# KiCad board tklc_v1.kicad_pcb
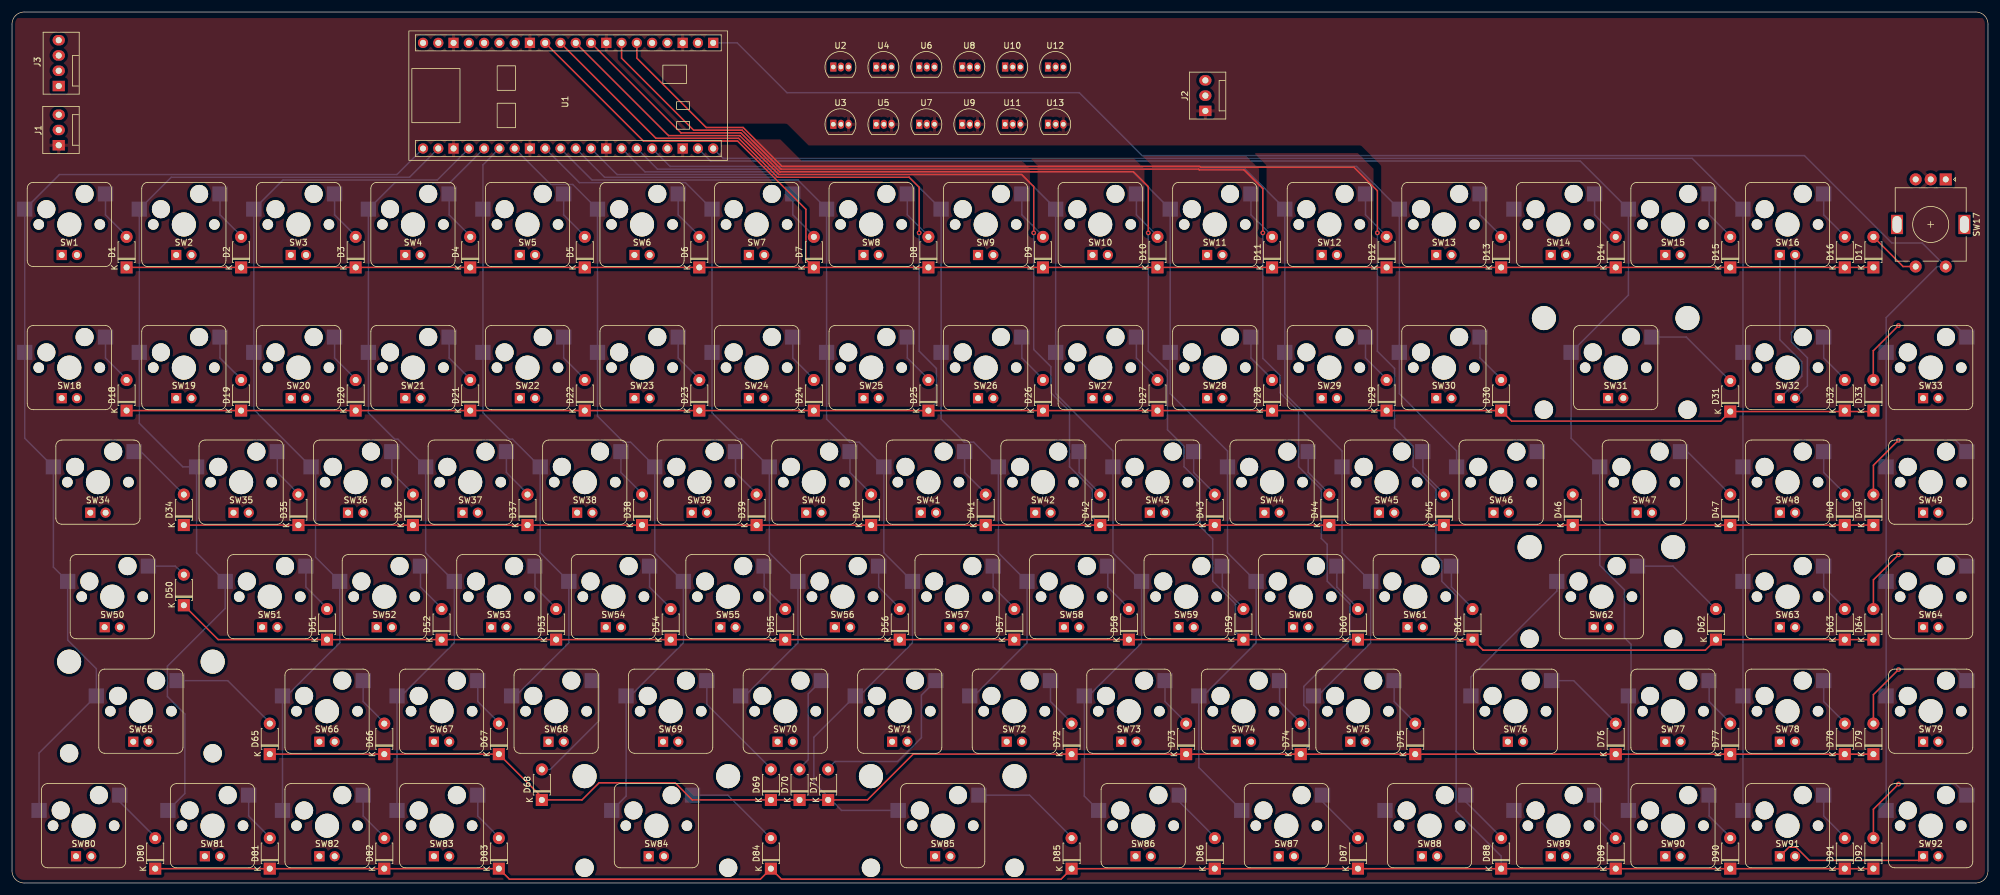
[diagram p0: board, top side]
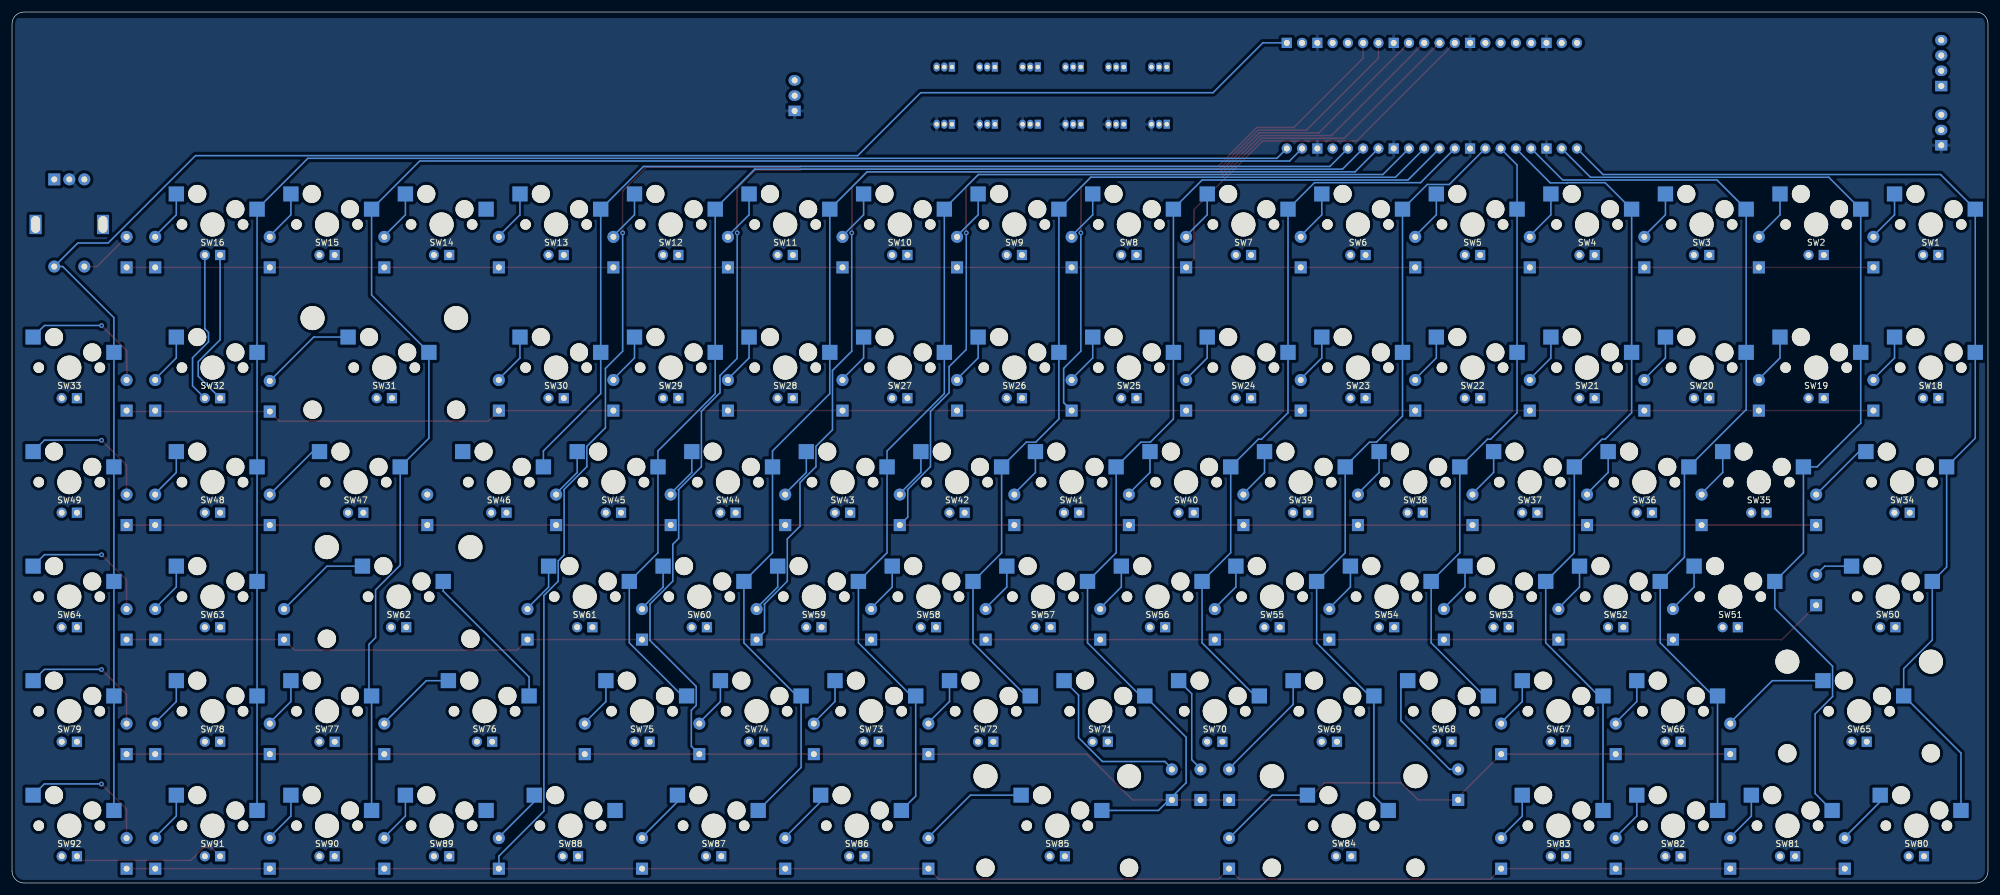
[diagram p1: board, bottom side, seen from below]

Outline 328.61 x 144.88 mm; copper layers: Top, Bottom. Coordinates in mm from the lower left corner of the outline.
Outline path: 0,142.88 arc(0.59,144.29) 2,144.88 326.61,144.88 arc(328.03,144.29) 328.61,142.88 328.61,2 arc(328.03,0.59) 326.61,0 2,0 arc(0.59,0.59) 0,2 0,142.88

## Placement (name value [footprint] x y rotation side)
D1  1N4148  [D_T-1_P5.08mm_Horizontal]  19.05 102.39 90 top
D2  1N4148  [D_T-1_P5.08mm_Horizontal]  38.1 102.39 90 top
D3  1N4148  [D_T-1_P5.08mm_Horizontal]  57.15 102.39 90 top
D4  1N4148  [D_T-1_P5.08mm_Horizontal]  76.2 102.39 90 top
D5  1N4148  [D_T-1_P5.08mm_Horizontal]  95.25 102.39 90 top
D6  1N4148  [D_T-1_P5.08mm_Horizontal]  114.3 102.39 90 top
D7  1N4148  [D_T-1_P5.08mm_Horizontal]  133.35 102.39 90 top
D8  1N4148  [D_T-1_P5.08mm_Horizontal]  152.4 102.39 90 top
D9  1N4148  [D_T-1_P5.08mm_Horizontal]  171.45 102.39 90 top
D10  1N4148  [D_T-1_P5.08mm_Horizontal]  190.5 102.39 90 top
D11  1N4148  [D_T-1_P5.08mm_Horizontal]  209.55 102.39 90 top
D12  1N4148  [D_T-1_P5.08mm_Horizontal]  228.6 102.39 90 top
D13  1N4148  [D_T-1_P5.08mm_Horizontal]  247.65 102.39 90 top
D14  1N4148  [D_T-1_P5.08mm_Horizontal]  266.7 102.39 90 top
D15  1N4148  [D_T-1_P5.08mm_Horizontal]  285.75 102.39 90 top
D16  1N4148  [D_T-1_P5.08mm_Horizontal]  304.8 102.39 90 top
D17  1N4148  [D_T-1_P5.08mm_Horizontal]  309.56 102.39 90 top
D18  1N4148  [D_T-1_P5.08mm_Horizontal]  19.05 78.58 90 top
D19  1N4148  [D_T-1_P5.08mm_Horizontal]  38.1 78.58 90 top
D20  1N4148  [D_T-1_P5.08mm_Horizontal]  57.15 78.58 90 top
D21  1N4148  [D_T-1_P5.08mm_Horizontal]  76.2 78.58 90 top
D22  1N4148  [D_T-1_P5.08mm_Horizontal]  95.25 78.58 90 top
D23  1N4148  [D_T-1_P5.08mm_Horizontal]  114.3 78.58 90 top
D24  1N4148  [D_T-1_P5.08mm_Horizontal]  133.35 78.58 90 top
D25  1N4148  [D_T-1_P5.08mm_Horizontal]  152.4 78.58 90 top
D26  1N4148  [D_T-1_P5.08mm_Horizontal]  171.45 78.58 90 top
D27  1N4148  [D_T-1_P5.08mm_Horizontal]  190.5 78.58 90 top
D28  1N4148  [D_T-1_P5.08mm_Horizontal]  209.55 78.58 90 top
D29  1N4148  [D_T-1_P5.08mm_Horizontal]  228.6 78.58 90 top
D30  1N4148  [D_T-1_P5.08mm_Horizontal]  247.65 78.58 90 top
D31  1N4148  [D_T-1_P5.08mm_Horizontal]  285.75 78.42 90 top
D32  1N4148  [D_T-1_P5.08mm_Horizontal]  304.8 78.58 90 top
D33  1N4148  [D_T-1_P5.08mm_Horizontal]  309.56 78.58 90 top
D34  1N4148  [D_T-1_P5.08mm_Horizontal]  28.58 59.53 90 top
D35  1N4148  [D_T-1_P5.08mm_Horizontal]  47.63 59.53 90 top
D36  1N4148  [D_T-1_P5.08mm_Horizontal]  66.68 59.53 90 top
D37  1N4148  [D_T-1_P5.08mm_Horizontal]  85.73 59.53 90 top
D38  1N4148  [D_T-1_P5.08mm_Horizontal]  104.78 59.53 90 top
D39  1N4148  [D_T-1_P5.08mm_Horizontal]  123.83 59.53 90 top
D40  1N4148  [D_T-1_P5.08mm_Horizontal]  142.88 59.53 90 top
D41  1N4148  [D_T-1_P5.08mm_Horizontal]  161.93 59.53 90 top
D42  1N4148  [D_T-1_P5.08mm_Horizontal]  180.98 59.53 90 top
D43  1N4148  [D_T-1_P5.08mm_Horizontal]  200.03 59.53 90 top
D44  1N4148  [D_T-1_P5.08mm_Horizontal]  219.08 59.53 90 top
D45  1N4148  [D_T-1_P5.08mm_Horizontal]  238.13 59.53 90 top
D46  1N4148  [D_T-1_P5.08mm_Horizontal]  259.56 59.53 90 top
D47  1N4148  [D_T-1_P5.08mm_Horizontal]  285.75 59.53 90 top
D48  1N4148  [D_T-1_P5.08mm_Horizontal]  304.8 59.53 90 top
D49  1N4148  [D_T-1_P5.08mm_Horizontal]  309.56 59.53 90 top
D50  1N4148  [D_T-1_P5.08mm_Horizontal]  28.58 46.2 90 top
D51  1N4148  [D_T-1_P5.08mm_Horizontal]  52.39 40.48 90 top
D52  1N4148  [D_T-1_P5.08mm_Horizontal]  71.44 40.48 90 top
D53  1N4148  [D_T-1_P5.08mm_Horizontal]  90.49 40.48 90 top
D54  1N4148  [D_T-1_P5.08mm_Horizontal]  109.54 40.48 90 top
D55  1N4148  [D_T-1_P5.08mm_Horizontal]  128.59 40.48 90 top
D56  1N4148  [D_T-1_P5.08mm_Horizontal]  147.64 40.48 90 top
D57  1N4148  [D_T-1_P5.08mm_Horizontal]  166.69 40.48 90 top
D58  1N4148  [D_T-1_P5.08mm_Horizontal]  185.74 40.48 90 top
D59  1N4148  [D_T-1_P5.08mm_Horizontal]  204.79 40.48 90 top
D60  1N4148  [D_T-1_P5.08mm_Horizontal]  223.84 40.48 90 top
D61  1N4148  [D_T-1_P5.08mm_Horizontal]  242.89 40.48 90 top
D62  1N4148  [D_T-1_P5.08mm_Horizontal]  283.37 40.48 90 top
D63  1N4148  [D_T-1_P5.08mm_Horizontal]  304.8 40.48 90 top
D64  1N4148  [D_T-1_P5.08mm_Horizontal]  309.56 40.48 90 top
D65  1N4148  [D_T-1_P5.08mm_Horizontal]  42.86 21.43 90 top
D66  1N4148  [D_T-1_P5.08mm_Horizontal]  61.91 21.43 90 top
D67  1N4148  [D_T-1_P5.08mm_Horizontal]  80.96 21.43 90 top
D68  1N4148  [D_T-1_P5.08mm_Horizontal]  88.11 13.81 90 top
D69  1N4148  [D_T-1_P5.08mm_Horizontal]  126.21 13.81 90 top
D70  1N4148  [D_T-1_P5.08mm_Horizontal]  130.97 13.81 90 top
D71  1N4148  [D_T-1_P5.08mm_Horizontal]  135.73 13.81 90 top
D72  1N4148  [D_T-1_P5.08mm_Horizontal]  176.21 21.43 90 top
D73  1N4148  [D_T-1_P5.08mm_Horizontal]  195.26 21.43 90 top
D74  1N4148  [D_T-1_P5.08mm_Horizontal]  214.31 21.43 90 top
D75  1N4148  [D_T-1_P5.08mm_Horizontal]  233.36 21.43 90 top
D76  1N4148  [D_T-1_P5.08mm_Horizontal]  266.7 21.43 90 top
D77  1N4148  [D_T-1_P5.08mm_Horizontal]  285.75 21.43 90 top
D78  1N4148  [D_T-1_P5.08mm_Horizontal]  304.8 21.43 90 top
D79  1N4148  [D_T-1_P5.08mm_Horizontal]  309.56 21.43 90 top
D80  1N4148  [D_T-1_P5.08mm_Horizontal]  23.81 2.38 90 top
D81  1N4148  [D_T-1_P5.08mm_Horizontal]  42.86 2.38 90 top
D82  1N4148  [D_T-1_P5.08mm_Horizontal]  61.91 2.38 90 top
D83  1N4148  [D_T-1_P5.08mm_Horizontal]  80.96 2.38 90 top
D84  1N4148  [D_T-1_P5.08mm_Horizontal]  126.21 2.38 90 top
D85  1N4148  [D_T-1_P5.08mm_Horizontal]  176.21 2.38 90 top
D86  1N4148  [D_T-1_P5.08mm_Horizontal]  200.03 2.38 90 top
D87  1N4148  [D_T-1_P5.08mm_Horizontal]  223.84 2.38 90 top
D88  1N4148  [D_T-1_P5.08mm_Horizontal]  247.65 2.38 90 top
D89  1N4148  [D_T-1_P5.08mm_Horizontal]  266.7 2.38 90 top
D90  1N4148  [D_T-1_P5.08mm_Horizontal]  285.75 2.38 90 top
D91  1N4148  [D_T-1_P5.08mm_Horizontal]  304.8 2.38 90 top
D92  1N4148  [D_T-1_P5.08mm_Horizontal]  309.56 2.38 90 top
J1  UART breakout for extension board  [FanPinHeader_1x03_P2.54mm_Vertical]  7.77 122.71 90 top
J2  RGB Strip breakout  [FanPinHeader_1x03_P2.54mm_Vertical]  198.46 128.43 90 top
J3  Encoder breakout  [FanPinHeader_1x04_P2.54mm_Vertical]  7.77 132.57 90 top
SW1  CherryMX_LED  [CherryMX_1.00u_PCB_KailhSocket_LED]  9.53 109.54 0 top
SW2  CherryMX_LED  [CherryMX_1.00u_PCB_KailhSocket_LED]  28.58 109.54 0 top
SW3  CherryMX_LED  [CherryMX_1.00u_PCB_KailhSocket_LED]  47.63 109.54 0 top
SW4  CherryMX_LED  [CherryMX_1.00u_PCB_KailhSocket_LED]  66.68 109.54 0 top
SW5  CherryMX_LED  [CherryMX_1.00u_PCB_KailhSocket_LED]  85.73 109.54 0 top
SW6  CherryMX_LED  [CherryMX_1.00u_PCB_KailhSocket_LED]  104.78 109.54 0 top
SW7  CherryMX_LED  [CherryMX_1.00u_PCB_KailhSocket_LED]  123.83 109.54 0 top
SW8  CherryMX_LED  [CherryMX_1.00u_PCB_KailhSocket_LED]  142.88 109.54 0 top
SW9  CherryMX_LED  [CherryMX_1.00u_PCB_KailhSocket_LED]  161.93 109.54 0 top
SW10  CherryMX_LED  [CherryMX_1.00u_PCB_KailhSocket_LED]  180.98 109.54 0 top
SW11  CherryMX_LED  [CherryMX_1.00u_PCB_KailhSocket_LED]  200.03 109.54 0 top
SW12  CherryMX_LED  [CherryMX_1.00u_PCB_KailhSocket_LED]  219.08 109.54 0 top
SW13  CherryMX_LED  [CherryMX_1.00u_PCB_KailhSocket_LED]  238.13 109.54 0 top
SW14  CherryMX_LED  [CherryMX_1.00u_PCB_KailhSocket_LED]  257.18 109.54 0 top
SW15  CherryMX_LED  [CherryMX_1.00u_PCB_KailhSocket_LED]  276.23 109.54 0 top
SW16  CherryMX_LED  [CherryMX_1.00u_PCB_KailhSocket_LED]  295.28 109.54 0 top
SW17  RotaryEncoder_Switch  [EDIT_RotaryEncoder_Alps_EC11E-Switch_Vertical_H20mm]  319.09 109.54 270 top
SW18  CherryMX_LED  [CherryMX_1.00u_PCB_KailhSocket_LED]  9.53 85.73 0 top
SW19  CherryMX_LED  [CherryMX_1.00u_PCB_KailhSocket_LED]  28.58 85.73 0 top
SW20  CherryMX_LED  [CherryMX_1.00u_PCB_KailhSocket_LED]  47.63 85.73 0 top
SW21  CherryMX_LED  [CherryMX_1.00u_PCB_KailhSocket_LED]  66.68 85.73 0 top
SW22  CherryMX_LED  [CherryMX_1.00u_PCB_KailhSocket_LED]  85.73 85.73 0 top
SW23  CherryMX_LED  [CherryMX_1.00u_PCB_KailhSocket_LED]  104.78 85.73 0 top
SW24  CherryMX_LED  [CherryMX_1.00u_PCB_KailhSocket_LED]  123.83 85.73 0 top
SW25  CherryMX_LED  [CherryMX_1.00u_PCB_KailhSocket_LED]  142.88 85.73 0 top
SW26  CherryMX_LED  [CherryMX_1.00u_PCB_KailhSocket_LED]  161.93 85.73 0 top
SW27  CherryMX_LED  [CherryMX_1.00u_PCB_KailhSocket_LED]  180.98 85.73 0 top
SW28  CherryMX_LED  [CherryMX_1.00u_PCB_KailhSocket_LED]  200.03 85.73 0 top
SW29  CherryMX_LED  [CherryMX_1.00u_PCB_KailhSocket_LED]  219.08 85.73 0 top
SW30  CherryMX_LED  [CherryMX_1.00u_PCB_KailhSocket_LED]  238.13 85.73 0 top
SW31  CherryMX_LED  [CherryMX_2.00u_PCB_KailhSocket_StabWireTop_LED]  266.7 85.73 0 top
SW32  CherryMX_LED  [CherryMX_1.00u_PCB_KailhSocket_LED]  295.28 85.73 0 top
SW33  CherryMX_LED  [CherryMX_1.00u_PCB_KailhSocket_LED]  319.09 85.73 0 top
SW34  CherryMX_LED  [CherryMX_1.50u_PCB_KailhSocket_LED]  14.29 66.68 0 top
SW35  CherryMX_LED  [CherryMX_1.00u_PCB_KailhSocket_LED]  38.1 66.68 0 top
SW36  CherryMX_LED  [CherryMX_1.00u_PCB_KailhSocket_LED]  57.15 66.68 0 top
SW37  CherryMX_LED  [CherryMX_1.00u_PCB_KailhSocket_LED]  76.2 66.68 0 top
SW38  CherryMX_LED  [CherryMX_1.00u_PCB_KailhSocket_LED]  95.25 66.68 0 top
SW39  CherryMX_LED  [CherryMX_1.00u_PCB_KailhSocket_LED]  114.3 66.68 0 top
SW40  CherryMX_LED  [CherryMX_1.00u_PCB_KailhSocket_LED]  133.35 66.68 0 top
SW41  CherryMX_LED  [CherryMX_1.00u_PCB_KailhSocket_LED]  152.4 66.68 0 top
SW42  CherryMX_LED  [CherryMX_1.00u_PCB_KailhSocket_LED]  171.45 66.68 0 top
SW43  CherryMX_LED  [CherryMX_1.00u_PCB_KailhSocket_LED]  190.5 66.68 0 top
SW44  CherryMX_LED  [CherryMX_1.00u_PCB_KailhSocket_LED]  209.55 66.68 0 top
SW45  CherryMX_LED  [CherryMX_1.00u_PCB_KailhSocket_LED]  228.6 66.68 0 top
SW46  CherryMX_LED  [CherryMX_1.00u_PCB_KailhSocket_LED]  247.65 66.68 0 top
SW47  CherryMX_LED  [CherryMX_1.50u_PCB_KailhSocket_LED]  271.46 66.68 0 top
SW48  CherryMX_LED  [CherryMX_1.00u_PCB_KailhSocket_LED]  295.28 66.68 0 top
SW49  CherryMX_LED  [CherryMX_1.00u_PCB_KailhSocket_LED]  319.09 66.68 0 top
SW50  CherryMX_LED  [CherryMX_1.75u_PCB_KailhSocket_LED]  16.67 47.63 0 top
SW51  CherryMX_LED  [CherryMX_1.00u_PCB_KailhSocket_LED]  42.86 47.63 0 top
SW52  CherryMX_LED  [CherryMX_1.00u_PCB_KailhSocket_LED]  61.91 47.63 0 top
SW53  CherryMX_LED  [CherryMX_1.00u_PCB_KailhSocket_LED]  80.96 47.63 0 top
SW54  CherryMX_LED  [CherryMX_1.00u_PCB_KailhSocket_LED]  100.01 47.63 0 top
SW55  CherryMX_LED  [CherryMX_1.00u_PCB_KailhSocket_LED]  119.06 47.63 0 top
SW56  CherryMX_LED  [CherryMX_1.00u_PCB_KailhSocket_LED]  138.11 47.63 0 top
SW57  CherryMX_LED  [CherryMX_1.00u_PCB_KailhSocket_LED]  157.16 47.63 0 top
SW58  CherryMX_LED  [CherryMX_1.00u_PCB_KailhSocket_LED]  176.21 47.63 0 top
SW59  CherryMX_LED  [CherryMX_1.00u_PCB_KailhSocket_LED]  195.26 47.63 0 top
SW60  CherryMX_LED  [CherryMX_1.00u_PCB_KailhSocket_LED]  214.31 47.63 0 top
SW61  CherryMX_LED  [CherryMX_1.00u_PCB_KailhSocket_LED]  233.36 47.63 0 top
SW62  CherryMX_LED  [CherryMX_2.25u_PCB_KailhSocket_StabWireTop_LED]  264.32 47.63 0 top
SW63  CherryMX_LED  [CherryMX_1.00u_PCB_KailhSocket_LED]  295.28 47.63 0 top
SW64  CherryMX_LED  [CherryMX_1.00u_PCB_KailhSocket_LED]  319.09 47.63 0 top
SW65  CherryMX_LED  [CherryMX_2.25u_PCB_KailhSocket_StabWireTop_LED]  21.43 28.58 0 top
SW66  CherryMX_LED  [CherryMX_1.00u_PCB_KailhSocket_LED]  52.39 28.58 0 top
SW67  CherryMX_LED  [CherryMX_1.00u_PCB_KailhSocket_LED]  71.44 28.58 0 top
SW68  CherryMX_LED  [CherryMX_1.00u_PCB_KailhSocket_LED]  90.49 28.58 0 top
SW69  CherryMX_LED  [CherryMX_1.00u_PCB_KailhSocket_LED]  109.54 28.58 0 top
SW70  CherryMX_LED  [CherryMX_1.00u_PCB_KailhSocket_LED]  128.59 28.58 0 top
SW71  CherryMX_LED  [CherryMX_1.00u_PCB_KailhSocket_LED]  147.64 28.58 0 top
SW72  CherryMX_LED  [CherryMX_1.00u_PCB_KailhSocket_LED]  166.69 28.58 0 top
SW73  CherryMX_LED  [CherryMX_1.00u_PCB_KailhSocket_LED]  185.74 28.58 0 top
SW74  CherryMX_LED  [CherryMX_1.00u_PCB_KailhSocket_LED]  204.79 28.58 0 top
SW75  CherryMX_LED  [CherryMX_1.00u_PCB_KailhSocket_LED]  223.84 28.58 0 top
SW76  CherryMX_LED  [CherryMX_1.75u_PCB_KailhSocket_LED]  250.03 28.58 0 top
SW77  CherryMX_LED  [CherryMX_1.00u_PCB_KailhSocket_LED]  276.23 28.58 0 top
SW78  CherryMX_LED  [CherryMX_1.00u_PCB_KailhSocket_LED]  295.28 28.58 0 top
SW79  CherryMX_LED  [CherryMX_1.00u_PCB_KailhSocket_LED]  319.09 28.58 0 top
SW80  CherryMX_LED  [CherryMX_1.25u_PCB_KailhSocket_LED]  11.91 9.53 0 top
SW81  CherryMX_LED  [CherryMX_1.00u_PCB_KailhSocket_LED]  33.34 9.53 0 top
SW82  CherryMX_LED  [CherryMX_1.00u_PCB_KailhSocket_LED]  52.39 9.53 0 top
SW83  CherryMX_LED  [CherryMX_1.00u_PCB_KailhSocket_LED]  71.44 9.53 0 top
SW84  CherryMX_LED  [CherryMX_2.75u_PCB_KailhSocket_StabWireTop_LED]  107.16 9.53 0 top
SW85  CherryMX_LED  [CherryMX_2.25u_PCB_KailhSocket_StabWireTop_LED]  154.78 9.53 0 top
SW86  CherryMX_LED  [CherryMX_1.25u_PCB_KailhSocket_LED]  188.12 9.53 0 top
SW87  CherryMX_LED  [CherryMX_1.25u_PCB_KailhSocket_LED]  211.93 9.53 0 top
SW88  CherryMX_LED  [CherryMX_1.25u_PCB_KailhSocket_LED]  235.74 9.53 0 top
SW89  CherryMX_LED  [CherryMX_1.00u_PCB_KailhSocket_LED]  257.18 9.53 0 top
SW90  CherryMX_LED  [CherryMX_1.00u_PCB_KailhSocket_LED]  276.23 9.53 0 top
SW91  CherryMX_LED  [CherryMX_1.00u_PCB_KailhSocket_LED]  295.28 9.53 0 top
SW92  CherryMX_LED  [CherryMX_1.00u_PCB_KailhSocket_LED]  319.09 9.53 0 top
U1  -  [WeAct-RP2040-Pico]  92.49 130.97 90 top
U2  MC34064P  [TO-92L_Inline]  136.58 135.73 0 top
U3  MC34064P  [TO-92L_Inline]  136.58 126.21 0 top
U4  MC34064P  [TO-92L_Inline]  143.72 135.73 0 top
U5  MC34064P  [TO-92L_Inline]  143.72 126.21 0 top
U6  MC34064P  [TO-92L_Inline]  150.87 135.73 0 top
U7  MC34064P  [TO-92L_Inline]  150.87 126.21 0 top
U8  MC34064P  [TO-92L_Inline]  158.01 135.73 0 top
U9  MC34064P  [TO-92L_Inline]  158.01 126.21 0 top
U10  MC34064P  [TO-92L_Inline]  165.16 135.73 0 top
U11  MC34064P  [TO-92L_Inline]  165.16 126.21 0 top
U12  MC34064P  [TO-92L_Inline]  172.3 135.73 0 top
U13  MC34064P  [TO-92L_Inline]  172.3 126.21 0 top

## Footprints (pads in the part's own frame, mm; a bottom-side part is the same pattern mirrored in y, then rotated)
CherryMX_1.00u_PCB_KailhSocket_LED
  round 1.75 hole 1.75 unplated: (-5.08,0) (5.08,0)
  round 3 hole 3 unplated: (-3.81,2.54) (2.54,5.08)
  round 4 hole 4 unplated: (0,0)
  rect 2.55x2.5 smd far side: 1(6.015,5.08) 2(-7.41,2.54)
  rect 1.691x1.691 hole 0.991: 3(-1.27,-5.08)
  round 1.691 hole 0.991: 4(1.27,-5.08)
CherryMX_1.25u_PCB_KailhSocket_LED
  round 1.75 hole 1.75 unplated: (-5.08,0) (5.08,0)
  round 3 hole 3 unplated: (-3.81,2.54) (2.54,5.08)
  round 4 hole 4 unplated: (0,0)
  rect 2.55x2.5 smd far side: 1(6.015,5.08) 2(-7.41,2.54)
  rect 1.691x1.691 hole 0.991: 3(-1.27,-5.08)
  round 1.691 hole 0.991: 4(1.27,-5.08)
CherryMX_1.50u_PCB_KailhSocket_LED
  round 1.75 hole 1.75 unplated: (-5.08,0) (5.08,0)
  round 3 hole 3 unplated: (-3.81,2.54) (2.54,5.08)
  round 4 hole 4 unplated: (0,0)
  rect 2.55x2.5 smd far side: 1(6.015,5.08) 2(-7.41,2.54)
  rect 1.691x1.691 hole 0.991: 3(-1.27,-5.08)
  round 1.691 hole 0.991: 4(1.27,-5.08)
CherryMX_1.75u_PCB_KailhSocket_LED
  round 1.75 hole 1.75 unplated: (-5.08,0) (5.08,0)
  round 3 hole 3 unplated: (-3.81,2.54) (2.54,5.08)
  round 4 hole 4 unplated: (0,0)
  rect 2.55x2.5 smd far side: 1(6.015,5.08) 2(-7.41,2.54)
  rect 1.691x1.691 hole 0.991: 3(-1.27,-5.08)
  round 1.691 hole 0.991: 4(1.27,-5.08)
CherryMX_2.00u_PCB_KailhSocket_StabWireTop_LED
  round 4 hole 4 unplated: (-11.938,8.24) (0,0) (11.938,8.24)
  round 3.05 hole 3.05 unplated: (-11.938,-7) (11.938,-7)
  round 1.75 hole 1.75 unplated: (-5.08,0) (5.08,0)
  round 3 hole 3 unplated: (-3.81,2.54) (2.54,5.08)
  rect 2.55x2.5 smd far side: 1(6.015,5.08) 2(-7.41,2.54)
  rect 1.691x1.691 hole 0.991: 3(-1.27,-5.08)
  round 1.691 hole 0.991: 4(1.27,-5.08)
CherryMX_2.25u_PCB_KailhSocket_StabWireTop_LED
  round 4 hole 4 unplated: (-11.938,8.24) (0,0) (11.938,8.24)
  round 3.05 hole 3.05 unplated: (-11.938,-7) (11.938,-7)
  round 1.75 hole 1.75 unplated: (-5.08,0) (5.08,0)
  round 3 hole 3 unplated: (-3.81,2.54) (2.54,5.08)
  rect 2.55x2.5 smd far side: 1(6.015,5.08) 2(-7.41,2.54)
  rect 1.691x1.691 hole 0.991: 3(-1.27,-5.08)
  round 1.691 hole 0.991: 4(1.27,-5.08)
CherryMX_2.75u_PCB_KailhSocket_StabWireTop_LED
  round 4 hole 4 unplated: (-11.938,8.24) (0,0) (11.938,8.24)
  round 3.05 hole 3.05 unplated: (-11.938,-7) (11.938,-7)
  round 1.75 hole 1.75 unplated: (-5.08,0) (5.08,0)
  round 3 hole 3 unplated: (-3.81,2.54) (2.54,5.08)
  rect 2.55x2.5 smd far side: 1(6.015,5.08) 2(-7.41,2.54)
  rect 1.691x1.691 hole 0.991: 3(-1.27,-5.08)
  round 1.691 hole 0.991: 4(1.27,-5.08)
D_T-1_P5.08mm_Horizontal
  rect 2x2 hole 1: 1(0,0)
  oval 2x2 hole 1: 2(5.08,0)
EDIT_RotaryEncoder_Alps_EC11E-Switch_Vertical_H20mm
  rect 2x2 hole 1: A(-7.5,2.5)
  round 2 hole 1: B(-7.5,-2.5) C(-7.5,0) S1(7,2.5) S2(7,-2.5)
  rect 3.2x2 hole 2.8x1.5: MP(0,5.6) MP(0,-5.6)
FanPinHeader_1x03_P2.54mm_Vertical
  rect 1.73x2.03 hole 1.02: 1(0,0)
  oval 1.73x2.03 hole 1.02: 2(2.54,0) 3(5.08,0)
FanPinHeader_1x04_P2.54mm_Vertical
  rect 1.73x2.03 hole 1.02: 1(0,0)
  oval 1.73x2.03 hole 1.02: 2(2.54,0) 3(5.08,0) 4(7.62,0)
TO-92L_Inline
  rect 1.05x1.5 hole 0.75: 1(0,0)
  oval 1.05x1.5 hole 0.75: 2(1.27,0) 3(2.54,0)
WeAct-RP2040-Pico
  round 1.7 hole 1: 1(-8.79,24.142) 40(8.774,24.142)
  oval 1.7x1.7 hole 1: 2(-8.79,21.602) 4(-8.79,16.522) 5(-8.79,13.982) 6(-8.79,11.442) 7(-8.79,8.902) 9(-8.79,3.822) 10(-8.79,1.282) 11(-8.79,-1.258) 12(-8.79,-3.798) 14(-8.79,-8.878) 15(-8.79,-11.418) 16(-8.79,-13.958) 17(-8.79,-16.498) 19(-8.79,-21.578) 20(-8.79,-24.118) 22(8.774,-21.578) 24(8.774,-16.498) 25(8.774,-13.958) 26(8.774,-11.418) 27(8.774,-8.878) 29(8.774,-3.798) 30(8.774,-1.258) 31(8.774,1.282) 32(8.774,3.822) 34(8.774,8.902) 35(8.774,11.442) 36(8.774,13.982) 37(8.774,16.522) 39(8.774,21.602)
  rect 1.7x1.7 hole 1: 3(-8.79,19.062) 8(-8.79,6.362) 13(-8.79,-6.338) 18(-8.79,-19.038) 21(8.774,-24.118) 23(8.774,-19.038) 28(8.774,-6.338) 33(8.774,6.362) 38(8.774,19.062)

## Nets
/3V3: J1.3 U1.37
/VBUS: J2.2 U1.40
GND: J1.1 J2.1 SW17.C U1.3 U1.8 U1.13 U1.18 U1.23 U1.28 U1.33 U1.38 U3.3 U5.3 U7.3 U9.3 U11.3 U13.3
/ADC_VREF: U1.35
/col0: SW1.2 SW18.2 SW34.2 SW50.2 SW65.2 SW80.2 U1.1
/col1: SW2.2 SW19.2 SW35.2 SW51.2 SW81.2 U1.2
/col2: SW3.2 SW20.2 SW36.2 SW52.2 SW66.2 SW82.2 U1.4
/col3: SW4.2 SW21.2 SW37.2 SW53.2 SW67.2 SW83.2 U1.5
/col4: SW5.2 SW22.2 SW38.2 SW54.2 SW68.2 U1.6
/col5: SW6.2 SW23.2 SW39.2 SW55.2 SW69.2 SW84.2 U1.7
/col6: SW7.2 SW24.2 SW40.2 SW56.2 SW70.2 U1.9
/col7: SW8.2 SW25.2 SW41.2 SW57.2 SW71.2 SW85.2 U1.10
/col8: SW9.2 SW26.2 SW42.2 SW58.2 SW72.2 U1.11
/col9: SW10.2 SW27.2 SW43.2 SW59.2 SW73.2 SW86.2 U1.12
/col10: SW11.2 SW28.2 SW44.2 SW60.2 SW74.2 SW87.2 U1.14
/col11: SW12.2 SW29.2 SW45.2 SW61.2 SW75.2 U1.15
/col12: SW13.2 SW30.2 SW46.2 SW88.2 U1.16
/col13: SW14.2 SW62.2 SW76.2 SW89.2 U1.17
/col14: SW15.2 SW31.2 SW47.2 SW77.2 SW90.2 U1.19
/col15: SW16.2 SW32.2 SW48.2 SW63.2 SW78.2 SW91.2 U1.20
/col16: J3.3 SW17.S1 SW33.2 SW49.2 SW64.2 SW79.2 SW92.2 U1.21
/EncoderA: J3.1 SW17.A U1.36
/EncoderB: J3.2 SW17.B U1.34
/LED_0_IN: SW1.4 SW2.4 SW3.4 SW4.4 SW5.4 SW6.4 SW7.4 SW8.4 SW9.4 SW10.4 SW11.4 SW12.4 SW13.4 SW14.4 SW15.4 U2.3
/LED_0_OUT: SW1.3 SW2.3 SW3.3 SW4.3 SW5.3 SW6.3 SW7.3 SW8.3 SW9.3 SW10.3 SW11.3 SW12.3 SW13.3 SW14.3 SW15.3 U3.1
/LED_1_IN: SW16.4 SW18.4 SW19.4 SW20.4 SW21.4 SW22.4 SW23.4 SW24.4 SW25.4 SW26.4 SW27.4 SW28.4 SW29.4 SW30.4 SW31.4 SW32.4 U4.3
/LED_1_OUT: SW16.3 SW18.3 SW19.3 SW20.3 SW21.3 SW22.3 SW23.3 SW24.3 SW25.3 SW26.3 SW27.3 SW28.3 SW29.3 SW30.3 SW31.3 SW32.3 U5.1
/LED_2_IN: SW33.4 SW36.4 SW37.4 SW38.4 SW39.4 SW40.4 SW41.4 SW42.4 SW43.4 SW44.4 SW45.4 SW46.4 SW47.4 SW48.4 SW49.4 U6.3
/LED_2_OUT: SW33.3 SW36.3 SW37.3 SW38.3 SW39.3 SW40.3 SW41.3 SW42.3 SW43.3 SW44.3 SW45.3 SW46.3 SW47.3 SW48.3 SW49.3 U7.1
/LED_3_IN: SW34.4 SW35.4 SW50.4 SW51.4 SW52.4 SW53.4 SW54.4 SW55.4 SW56.4 SW57.4 SW58.4 SW59.4 SW60.4 SW61.4 SW62.4 U8.3
/LED_3_OUT: SW34.3 SW35.3 SW50.3 SW51.3 SW52.3 SW53.3 SW54.3 SW55.3 SW56.3 SW57.3 SW58.3 SW59.3 SW60.3 SW61.3 SW62.3 U9.1
/LED_4_IN: SW63.4 SW64.4 SW67.4 SW68.4 SW69.4 SW70.4 SW71.4 SW72.4 SW73.4 SW74.4 SW75.4 SW76.4 SW77.4 SW78.4 SW79.4 U10.3
/LED_4_OUT: SW63.3 SW64.3 SW67.3 SW68.3 SW69.3 SW70.3 SW71.3 SW72.3 SW73.3 SW74.3 SW75.3 SW76.3 SW77.3 SW78.3 SW79.3 U11.1
/LED_5_IN: SW65.4 SW66.4 SW80.4 SW81.4 SW82.4 SW83.4 SW84.4 SW85.4 SW86.4 SW87.4 SW88.4 SW89.4 SW90.4 SW91.4 SW92.4 U12.3
/LED_5_OUT: SW65.3 SW66.3 SW80.3 SW81.3 SW82.3 SW83.3 SW84.3 SW85.3 SW86.3 SW87.3 SW88.3 SW89.3 SW90.3 SW91.3 SW92.3 U13.1
/LED_CONTROL: U1.24 U3.2 U5.2 U7.2 U9.2 U11.2 U13.2
/RGB_DATA: J2.3 U1.22
/row0: D1.1 D2.1 D3.1 D4.1 D5.1 D6.1 D7.1 D8.1 D9.1 D10.1 D11.1 D12.1 D13.1 D14.1 D15.1 D16.1 D17.1 J3.4 U1.32 U2.2
/row1: D18.1 D19.1 D20.1 D21.1 D22.1 D23.1 D24.1 D25.1 D26.1 D27.1 D28.1 D29.1 D30.1 D31.1 D32.1 D33.1 U1.31 U4.2
/row2: D34.1 D35.1 D36.1 D37.1 D38.1 D39.1 D40.1 D41.1 D42.1 D43.1 D44.1 D45.1 D46.1 D47.1 D48.1 D49.1 U1.30 U6.2
/row3: D50.1 D51.1 D52.1 D53.1 D54.1 D55.1 D56.1 D57.1 D58.1 D59.1 D60.1 D61.1 D62.1 D63.1 D64.1 U1.29 U8.2
/row4: D65.1 D66.1 D67.1 D68.1 D69.1 D70.1 D71.1 D72.1 D73.1 D74.1 D75.1 D76.1 D77.1 D78.1 D79.1 U1.27 U10.2
/row5: D80.1 D81.1 D82.1 D83.1 D84.1 D85.1 D86.1 D87.1 D88.1 D89.1 D90.1 D91.1 D92.1 U1.26 U12.2
/UART_CONNECT: J1.2 U1.25
/VSYS: U1.39 U2.1 U4.1 U6.1 U8.1 U10.1 U12.1
Net-(D1-Pad2): D1.2 SW1.1
Net-(D2-Pad2): D2.2 SW2.1
Net-(D3-Pad2): D3.2 SW3.1
Net-(D4-Pad2): D4.2 SW4.1
Net-(D5-Pad2): D5.2 SW5.1
Net-(D6-Pad2): D6.2 SW6.1
Net-(D7-Pad2): D7.2 SW7.1
Net-(D8-Pad2): D8.2 SW8.1
Net-(D9-Pad2): D9.2 SW9.1
Net-(D10-Pad2): D10.2 SW10.1
Net-(D11-Pad2): D11.2 SW11.1
Net-(D12-Pad2): D12.2 SW12.1
Net-(D13-Pad2): D13.2 SW13.1
Net-(D14-Pad2): D14.2 SW14.1
Net-(D15-Pad2): D15.2 SW15.1
Net-(D16-Pad2): D16.2 SW16.1
Net-(D17-Pad2): D17.2 SW17.S2
Net-(D18-Pad2): D18.2 SW18.1
Net-(D19-Pad2): D19.2 SW19.1
Net-(D20-Pad2): D20.2 SW20.1
Net-(D21-Pad2): D21.2 SW21.1
Net-(D22-Pad2): D22.2 SW22.1
Net-(D23-Pad2): D23.2 SW23.1
Net-(D24-Pad2): D24.2 SW24.1
Net-(D25-Pad2): D25.2 SW25.1
Net-(D26-Pad2): D26.2 SW26.1
Net-(D27-Pad2): D27.2 SW27.1
Net-(D28-Pad2): D28.2 SW28.1
Net-(D29-Pad2): D29.2 SW29.1
Net-(D30-Pad2): D30.2 SW30.1
Net-(D31-Pad2): D31.2 SW31.1
Net-(D32-Pad2): D32.2 SW32.1
Net-(D33-Pad2): D33.2 SW33.1
Net-(D34-Pad2): D34.2 SW34.1
Net-(D35-Pad2): D35.2 SW35.1
Net-(D36-Pad2): D36.2 SW36.1
Net-(D37-Pad2): D37.2 SW37.1
Net-(D38-Pad2): D38.2 SW38.1
Net-(D39-Pad2): D39.2 SW39.1
Net-(D40-Pad2): D40.2 SW40.1
Net-(D41-Pad2): D41.2 SW41.1
Net-(D42-Pad2): D42.2 SW42.1
Net-(D43-Pad2): D43.2 SW43.1
Net-(D44-Pad2): D44.2 SW44.1
Net-(D45-Pad2): D45.2 SW45.1
Net-(D46-Pad2): D46.2 SW46.1
Net-(D47-Pad2): D47.2 SW47.1
Net-(D48-Pad2): D48.2 SW48.1
Net-(D49-Pad2): D49.2 SW49.1
Net-(D50-Pad2): D50.2 SW50.1
Net-(D51-Pad2): D51.2 SW51.1
Net-(D52-Pad2): D52.2 SW52.1
Net-(D53-Pad2): D53.2 SW53.1
Net-(D54-Pad2): D54.2 SW54.1
Net-(D55-Pad2): D55.2 SW55.1
Net-(D56-Pad2): D56.2 SW56.1
Net-(D57-Pad2): D57.2 SW57.1
Net-(D58-Pad2): D58.2 SW58.1
Net-(D59-Pad2): D59.2 SW59.1
Net-(D60-Pad2): D60.2 SW60.1
Net-(D61-Pad2): D61.2 SW61.1
Net-(D62-Pad2): D62.2 SW62.1
Net-(D63-Pad2): D63.2 SW63.1
Net-(D64-Pad2): D64.2 SW64.1
Net-(D65-Pad2): D65.2 SW65.1
Net-(D66-Pad2): D66.2 SW66.1
Net-(D67-Pad2): D67.2 SW67.1
Net-(D68-Pad2): D68.2 SW68.1
Net-(D69-Pad2): D69.2 SW69.1
Net-(D70-Pad2): D70.2 SW70.1
Net-(D71-Pad2): D71.2 SW71.1
Net-(D72-Pad2): D72.2 SW72.1
Net-(D73-Pad2): D73.2 SW73.1
Net-(D74-Pad2): D74.2 SW74.1
Net-(D75-Pad2): D75.2 SW75.1
Net-(D76-Pad2): D76.2 SW76.1
Net-(D77-Pad2): D77.2 SW77.1
Net-(D78-Pad2): D78.2 SW78.1
Net-(D79-Pad2): D79.2 SW79.1
Net-(D80-Pad2): D80.2 SW80.1
Net-(D81-Pad2): D81.2 SW81.1
Net-(D82-Pad2): D82.2 SW82.1
Net-(D83-Pad2): D83.2 SW83.1
Net-(D84-Pad2): D84.2 SW84.1
Net-(D85-Pad2): D85.2 SW85.1
Net-(D86-Pad2): D86.2 SW86.1
Net-(D87-Pad2): D87.2 SW87.1
Net-(D88-Pad2): D88.2 SW88.1
Net-(D89-Pad2): D89.2 SW89.1
Net-(D90-Pad2): D90.2 SW90.1
Net-(D91-Pad2): D91.2 SW91.1
Net-(D92-Pad2): D92.2 SW92.1

Pads without a net: SW17 MP

## Via types
v1: diameter 0.8, hole 0.4, Top to Bottom, 10 vias

## Routing (per net, layer and track width the routed paths; a pad name or vN(x,y) marks a point on that pad's centre or on a via; arc(x,y) is an arc through that point)
/col0: length 179.3
  Bottom w0.25: SW65.2 14.02,35.65 9.26,40.41 SW50.2 6.88,52.55 SW34.2 2.12,73.98 SW18.2 SW1.2 7.88,117.84 64.01,117.84 U1.1 ; SW80.2 4.5,21.62 14,31.12
/col1: length 167.5
  Bottom w0.25: SW81.2 28.74,14.88 28.74,28.11 25.85,31.01 25.85,36.06 35.45,45.67 SW51.2 30.69,54.93 SW35.2 28.42,69.22 21.17,76.47 SW19.2 SW2.2 26.48,117.39 66.1,117.39 U1.2
/col2: length 148.5
  Bottom w0.25: SW66.2 SW82.2 ; 50.48,68.48 50.48,54.19 SW52.2 54.5,39.95 45.67,31.12 ; SW36.2 40.22,78.74 SW20.2 SW3.2 45.08,116.94 70.73,116.94 U1.4
/col3: length 133.4
  Bottom w0.25: U1.5 72.79,116.46 69.99,116.46 69.96,116.49 63.68,116.49 SW4.2 SW21.2 59.27,78.21 63.66,73.82 64.19,73.82 SW37.2 68.79,54.93 SW53.2 73.55,39.95 64.72,31.12 ; SW67.2 SW83.2
/col4: length 102.1
  Bottom w0.25: 83.77,31.12 92.6,39.95 SW54.2 87.84,54.93 SW38.2 83.24,73.82 82.71,73.82 78.32,78.21 SW22.2 SW5.2 78.32,119.44 U1.6
/col5: length 129.1
  Bottom w0.25: SW69.2 102.13,14.45 SW84.2 ; SW39.2 106.89,54.93 SW55.2 111.65,39.95 102.82,31.12 ; U1.7 89.58,116.19 93.25,116.19 SW6.2 SW23.2 97.37,77.66 101.69,73.33 102.86,73.33 106.89,69.3
/col6: length 122.8
  Bottom w0.25: 121.87,31.12 130.7,39.95 SW56.2 125.94,54.93 SW40.2 121.34,73.82 120.81,73.82 116.42,78.21 SW24.2 SW7.2 112,116.49 94.36,116.49 U1.9
/col7: length 173.1
  Bottom w0.25: SW8.2 SW25.2 135.47,77.17 139.3,73.33 140.88,73.33 SW41.2 144.99,54.93 SW57.2 149.75,39.95 140.92,31.12 ; SW85.2 137.95,12.07 133.35,16.67 133.35,24.24 SW71.2 ; 135.47,112.17 130.69,116.94 96.45,116.94 U1.10
/col8: length 156.4
  Bottom w0.25: 168.79,50.17 164.04,54.91 SW42.2 159.93,73.33 158.35,73.33 154.52,77.17 SW26.2 SW9.2 149.2,117.39 98.54,117.39 U1.11 ; 159.97,31.12 168.8,39.95 SW58.2
/col9: length 192
  Bottom w0.25: SW10.2 SW27.2 173.57,81.39 183.09,71.87 SW43.2 183.09,54.93 SW59.2 187.85,39.95 179.02,31.12 ; U1.12 100.63,117.84 167.89,117.84 173.57,112.17 ; SW86.2 178.33,14.45 SW73.2
/col10: length 208
  Bottom w0.25: 198.07,31.12 206.9,39.95 SW60.2 202.14,54.93 SW44.2 202.14,71.87 192.62,81.39 SW28.2 SW11.2 186.4,118.29 105.26,118.29 U1.14 ; SW74.2 197.38,19.21 SW87.2
/col11: length 202.4
  Bottom w0.25: U1.15 107.35,118.74 205.09,118.74 211.67,112.17 ; SW12.2 SW29.2 211.67,81.39 221.19,71.87 SW45.2 221.19,54.93 SW61.2 225.95,39.95 217.12,31.12
/col12: length 175.3
  Bottom w0.25: SW46.2 240.24,71.87 230.72,81.39 SW30.2 SW13.2 223.6,119.19 109.44,119.19 U1.16
/col13: length 25
  Bottom w0.25: SW76.2 242.62,34.26 256.91,48.55 256.91,50.17
/col14: length 266.6
  Bottom w0.25: U1.19 116.16,120.09 260.8,120.09 SW15.2 268.82,97.79 SW31.2 259.29,73.98 SW47.2 264.05,52.86 268.15,48.76 268.15,40.8 269.25,39.7 269.25,31.55 ; SW77.2 SW90.2
/col15: length 275.4
  Bottom w0.25: U1.20 118.25,120.54 279.4,120.54 SW16.2 SW91.2
/col16: length 315.8
  Bottom w0.25: U1.21 120.59,139.74 128.88,131.46 177.49,131.46 187.96,120.99 298.09,120.99 312.63,106.46 317.67,106.46 SW17.S1 320.17,102.54 311.68,94.04 SW33.2 SW92.2
/LED_1_IN: length 26
  Bottom w0.25: SW32.4 298.59,82.69 298.59,87.36 295.94,90.01 295.94,91.58 296.55,92.19 SW16.4
/LED_1_OUT: length 26.8
  Bottom w0.25: SW32.3 297.65,84.29 297.65,86.71 294.01,90.35 SW16.3
/LED_5_OUT: length 24.7
  Top w0.25: SW91.3 295.51,5.95 296.69,5.95 298.89,3.76 317.13,3.76
/row0: length 355.5
  Top w0.25: U1.32 105,123.42 120.66,123.42 132.03,112.05 132.03,103.72 D7.1 ; D1.1 D17.1
/row1: length 400.2
  Top w0.25: D18.1 D30.1 249.41,76.83 284.15,76.83 D31.1 309.4,78.42 ; U1.31 107.09,123.87 120.85,123.87 127.32,117.39 149.19,117.39 150.87,115.72 v1(150.87,108.14)
  Bottom w0.25: D25.1 153.72,79.91 153.72,85.59 150.87,88.45 v1(150.87,108.14)
/row2: length 428
  Top w0.25: U1.30 109.18,124.32 121.03,124.32 127.51,117.84 167.91,117.84 169.92,115.83 v1(169.92,108.14) ; D34.1 D47.1 D49.1
  Bottom w0.25: D42.1 179.65,60.86 179.65,65.35 179.7,65.4 175.87,69.24 175.87,78.45 172.77,81.55 172.77,85.88 169.92,88.74 v1(169.92,108.14)
/row3: length 469.3
  Top w0.25: v1(188.97,108.14) 188.97,115.83 186.51,118.29 127.7,118.29 121.22,124.77 111.27,124.77 U1.29 ; D50.1 34.29,40.48 D51.1 D61.1 244.64,38.73 281.61,38.73 D62.1 D64.1
  Bottom w0.25: D59.1 203.46,41.81 203.46,46.3 203.52,46.35 199.68,50.19 199.68,57.23 197.56,59.34 197.56,66.6 194.92,69.24 194.92,72.63 192.17,75.38 192.17,85.25 188.97,88.45 v1(188.97,108.14)
/row4: length 497.5
  Top w0.25: 309.56,21.43 176.22,21.43 ; U1.27 101.37,137.2 113.36,125.22 121.41,125.22 127.88,118.74 197.33,118.74 197.46,118.61 204.89,118.61 208.02,115.49 v1(208.02,108.14) ; D72.1 149.87,21.43 142.25,13.81 D71.1 D69.1 113.14,13.81 110.28,16.67 97.63,16.67 94.77,13.81 D68.1 ; D65.1 D67.1 88.11,14.29
  Bottom w0.25: v1(208.02,108.14) 208.02,87.26 210.87,84.4 210.87,81.55 213.97,78.45 213.97,69.24 217.8,65.4 217.75,65.35 217.75,57.31 218.73,56.33 218.73,50.19 222.51,46.41 222.51,40.35 221.46,39.29 221.43,39.29 214.83,32.69 214.83,29.54 215.64,28.73 215.64,22.76 D74.1
/row5: length 544.8
  Top w0.25: U1.26 103.91,137.2 115.45,125.67 121.59,125.67 128.07,119.19 197.52,119.19 197.64,119.06 223.15,119.06 227.07,115.15 v1(227.07,108.14) ; D92.1 D85.1 174.46,0.63 127.96,0.63 D84.1 124.45,0.63 82.72,0.63 D83.1 D80.1
  Bottom w0.25: D88.1 247.65,4.47 240.16,11.96 240.16,47.81 237.78,50.19 237.78,53.58 236.8,54.56 236.8,65.35 236.85,65.4 233.02,69.24 233.02,72.63 229.92,75.72 229.92,85.59 227.07,88.45 v1(227.07,108.14)
Net-(D1-Pad2): length 8.4
  Bottom w0.25: 19.05,107.63 15.54,111.14 SW1.1
Net-(D2-Pad2): length 8.4
  Bottom w0.25: SW2.1 34.59,111.14 38.1,107.63
Net-(D3-Pad2): length 8.4
  Bottom w0.25: SW3.1 53.64,111.14 57.15,107.63
Net-(D4-Pad2): length 8.4
  Bottom w0.25: SW4.1 72.69,111.14 76.2,107.63
Net-(D5-Pad2): length 8.4
  Bottom w0.25: 95.25,107.63 91.74,111.14 SW5.1
Net-(D6-Pad2): length 8.4
  Bottom w0.25: 114.3,107.63 110.79,111.14 SW6.1
Net-(D7-Pad2): length 8.4
  Bottom w0.25: 133.35,107.63 129.84,111.14 SW7.1
Net-(D8-Pad2): length 8.4
  Bottom w0.25: SW8.1 148.89,111.14 152.4,107.63
Net-(D9-Pad2): length 8.4
  Bottom w0.25: SW9.1 167.94,111.14 171.45,107.63
Net-(D10-Pad2): length 8.4
  Bottom w0.25: SW10.1 186.99,111.14 190.5,107.63
Net-(D11-Pad2): length 8.4
  Bottom w0.25: SW11.1 206.04,111.14 209.55,107.63
Net-(D12-Pad2): length 8.4
  Bottom w0.25: SW12.1 225.09,111.14 228.6,107.63
Net-(D13-Pad2): length 8.4
  Bottom w0.25: 247.65,107.63 244.14,111.14 SW13.1
Net-(D14-Pad2): length 8.4
  Bottom w0.25: 266.7,107.63 263.19,111.14 SW14.1
Net-(D15-Pad2): length 8.4
  Bottom w0.25: 285.75,107.63 282.24,111.14 SW15.1
Net-(D16-Pad2): length 8.4
  Bottom w0.25: SW16.1 301.29,111.14 304.8,107.63
Net-(D17-Pad2): length 9.1
  Top w0.25: D17.2 314.5,102.54 SW17.S2
Net-(D18-Pad2): length 8.4
  Bottom w0.25: 19.05,83.82 15.54,87.33 SW18.1
Net-(D19-Pad2): length 8.4
  Bottom w0.25: 38.1,83.82 34.59,87.33 SW19.1
Net-(D20-Pad2): length 8.4
  Bottom w0.25: 57.15,83.82 53.64,87.33 SW20.1
Net-(D21-Pad2): length 8.4
  Bottom w0.25: SW21.1 72.69,87.33 76.2,83.82
Net-(D22-Pad2): length 8.4
  Bottom w0.25: SW22.1 91.74,87.33 95.25,83.82
Net-(D23-Pad2): length 8.4
  Bottom w0.25: 114.3,83.82 110.79,87.33 SW23.1
Net-(D24-Pad2): length 8.4
  Bottom w0.25: 133.35,83.82 129.84,87.33 SW24.1
Net-(D25-Pad2): length 8.4
  Bottom w0.25: SW25.1 148.89,87.33 152.4,83.82
Net-(D26-Pad2): length 8.4
  Bottom w0.25: 171.45,83.82 167.94,87.33 SW26.1
Net-(D27-Pad2): length 8.4
  Bottom w0.25: SW27.1 186.99,87.33 190.5,83.82
Net-(D28-Pad2): length 8.4
  Bottom w0.25: 209.55,83.82 206.04,87.33 SW28.1
Net-(D29-Pad2): length 8.4
  Bottom w0.25: SW29.1 225.09,87.33 228.6,83.82
Net-(D30-Pad2): length 8.4
  Bottom w0.25: SW30.1 244.14,87.33 247.65,83.82
Net-(D31-Pad2): length 16.1
  Bottom w0.25: D31.2 278.45,90.81 SW31.1
Net-(D32-Pad2): length 8.4
  Bottom w0.25: 304.8,83.82 301.29,87.33 SW32.1
Net-(D33-Pad2): length 22.7
  Top w0.25: v1(313.73,92.72) 309.54,88.53 309.54,83.88
  Bottom w0.25: 313.75,92.74 323.21,92.74 325.08,90.86
Net-(D34-Pad2): length 10.1
  Bottom w0.25: 21.43,71.76 D34.2
Net-(D35-Pad2): length 8.4
  Bottom w0.25: 47.63,64.77 44.12,68.28 SW35.1
Net-(D36-Pad2): length 8.4
  Bottom w0.25: SW36.1 63.17,68.28 66.68,64.77
Net-(D37-Pad2): length 8.4
  Bottom w0.25: SW37.1 82.22,68.28 85.73,64.77
Net-(D38-Pad2): length 8.4
  Bottom w0.25: SW38.1 101.27,68.28 104.78,64.77
Net-(D39-Pad2): length 8.4
  Bottom w0.25: 123.83,64.77 120.32,68.28 SW39.1
Net-(D40-Pad2): length 8.4
  Bottom w0.25: SW40.1 139.37,68.28 142.88,64.77
Net-(D41-Pad2): length 8.4
  Bottom w0.25: SW41.1 158.42,68.28 161.93,64.77
Net-(D42-Pad2): length 8.4
  Bottom w0.25: 180.98,64.77 177.47,68.28 SW42.1
Net-(D43-Pad2): length 8.4
  Bottom w0.25: SW43.1 196.52,68.28 200.03,64.77
Net-(D44-Pad2): length 8.4
  Bottom w0.25: 219.08,64.77 215.57,68.28 SW44.1
Net-(D45-Pad2): length 8.4
  Bottom w0.25: SW45.1 234.62,68.28 238.13,64.77
Net-(D47-Pad2): length 10.1
  Bottom w0.25: 278.61,71.76 D47.2
Net-(D48-Pad2): length 8.4
  Bottom w0.25: 304.8,64.77 301.29,68.28 SW48.1
Net-(D49-Pad2): length 22.9
  Top w0.25: D49.2 309.56,69.48 v1(313.73,73.64)
  Bottom w0.25: 313.75,73.67 323.21,73.67 325.09,71.79
Net-(D50-Pad2): length 6.5
  Bottom w0.25: SW50.1 27.15,52.71 D50.2
Net-(D51-Pad2): length 8.4
  Bottom w0.25: SW51.1 48.88,49.23 52.39,45.72
Net-(D52-Pad2): length 8.4
  Bottom w0.25: SW52.1 67.93,49.23 71.44,45.72
Net-(D53-Pad2): length 8.4
  Bottom w0.25: SW53.1 86.98,49.23 90.49,45.72
Net-(D54-Pad2): length 8.4
  Bottom w0.25: SW54.1 106.03,49.23 109.54,45.72
Net-(D55-Pad2): length 8.4
  Bottom w0.25: SW55.1 125.08,49.23 128.59,45.72
Net-(D56-Pad2): length 8.4
  Bottom w0.25: SW56.1 144.13,49.23 147.64,45.72
Net-(D57-Pad2): length 8.4
  Bottom w0.25: 166.69,45.72 163.18,49.23 SW57.1
Net-(D58-Pad2): length 8.4
  Bottom w0.25: 185.74,45.72 182.23,49.23 SW58.1
Net-(D59-Pad2): length 8.4
  Bottom w0.25: 204.79,45.72 201.28,49.23 SW59.1
Net-(D60-Pad2): length 8.4
  Bottom w0.25: SW60.1 220.33,49.23 223.84,45.72
Net-(D61-Pad2): length 8.4
  Bottom w0.25: 242.89,45.72 239.38,49.23 SW61.1
Net-(D62-Pad2): length 16
  Bottom w0.25: 283.37,45.56 276.23,52.71 SW62.1
Net-(D63-Pad2): length 8.4
  Bottom w0.25: 304.8,45.72 301.29,49.23 SW63.1
Net-(D64-Pad2): length 22.9
  Top w0.25: v1(313.73,54.59) 309.56,50.43 309.56,45.56
  Bottom w0.25: 313.75,54.62 323.21,54.62 325.09,52.74
Net-(D65-Pad2): length 18.3
  Bottom w0.25: SW65.1 35.88,33.66 42.86,26.67
Net-(D66-Pad2): length 8.4
  Bottom w0.25: SW66.1 58.4,30.18 61.91,26.67
Net-(D67-Pad2): length 8.4
  Bottom w0.25: 80.96,26.67 77.45,30.18 SW67.1
Net-(D68-Pad2): length 20
  Bottom w0.25: SW68.1 97.63,32.53 97.63,27 89.52,18.89 D68.2
Net-(D69-Pad2): length 19
  Bottom w0.25: SW69.1 115.55,29.7 126.21,19.05
Net-(D70-Pad2): length 16.1
  Bottom w0.25: 130.97,19.05 132.42,20.5 132.42,31.47 SW70.1
Net-(D71-Pad2): length 28.1
  Bottom w0.25: 135.73,19.05 136.89,20.21 147.27,20.21 151.24,24.18 151.24,31.25 SW71.1
Net-(D72-Pad2): length 8.4
  Bottom w0.25: SW72.1 172.7,30.18 176.21,26.67
Net-(D73-Pad2): length 8.4
  Bottom w0.25: 195.26,26.67 191.75,30.18 SW73.1
Net-(D74-Pad2): length 8.4
  Bottom w0.25: SW74.1 210.8,30.18 214.31,26.67
Net-(D75-Pad2): length 8.4
  Bottom w0.25: SW75.1 229.85,30.18 233.36,26.67
Net-(D76-Pad2): length 13.5
  Bottom w0.25: 266.7,26.67 259.72,33.66 SW76.1
Net-(D77-Pad2): length 8.4
  Bottom w0.25: SW77.1 282.24,30.18 285.75,26.67
Net-(D78-Pad2): length 8.4
  Bottom w0.25: 304.8,26.67 301.29,30.18 SW78.1
Net-(D79-Pad2): length 22.8
  Top w0.25: v1(313.74,35.51) 309.56,31.33 D79.2
  Bottom w0.25: 313.77,35.53 323.23,35.53 SW79.1
Net-(D80-Pad2): length 8.3
  Bottom w0.25: 17.92,13.51 23.81,7.62
Net-(D81-Pad2): length 8.4
  Bottom w0.25: 42.86,7.62 39.35,11.13 SW81.1
Net-(D82-Pad2): length 8.4
  Bottom w0.25: SW82.1 58.4,11.13 61.91,7.62
Net-(D83-Pad2): length 8.4
  Bottom w0.25: SW83.1 77.45,11.13 80.96,7.62
Net-(D84-Pad2): length 16
  Bottom w0.25: SW84.1 119.06,14.61 126.21,7.46
Net-(D85-Pad2): length 18.3
  Bottom w0.25: SW85.1 169.23,14.61 176.21,7.62
Net-(D86-Pad2): length 8.3
  Bottom w0.25: 194.13,13.51 200.03,7.62
Net-(D87-Pad2): length 8.3
  Bottom w0.25: 217.95,13.51 223.84,7.62
Net-(D88-Pad2): length 8.3
  Bottom w0.25: 241.76,13.51 247.65,7.62
Net-(D89-Pad2): length 8.4
  Bottom w0.25: SW89.1 263.19,11.13 266.7,7.62
Net-(D90-Pad2): length 8.4
  Bottom w0.25: 285.75,7.62 282.24,11.13 SW90.1
Net-(D91-Pad2): length 8.4
  Bottom w0.25: SW91.1 301.29,11.13 304.8,7.62
Net-(D92-Pad2): length 22.9
  Top w0.25: 309.56,7.46 309.56,12.28 v1(313.74,16.46)
  Bottom w0.25: SW92.1 323.23,16.48 313.77,16.48 v1(313.74,16.46)

## Copper pours and planes (outline as drawn; the poured copper is in the pictures)
GND on Top: 329.61,142.88 329.61,0 328.61,-1 0,-1 -1,0 -1,142.88 0,143.88 328.61,143.88
GND on Bottom: 329.61,142.88 329.61,0 328.61,-1 0,-1 -1,0 -1,142.88 0,143.88 328.61,143.88
